# Altium PCB PCB4.PcbDoc (part 2 of 3)
Units mm, origin at the board's own origin, x right, y up, seen from the top; angles counter-clockwise.
Board outline 169 x 84.7 mm, 4 copper layers (Top Layer, GND, POWER, Bottom Layer), stack 1.564 mm thick; 189 components, 194 nets, 860 pads, 455 vias.
Unrouted connection lines stored in the file: 195.
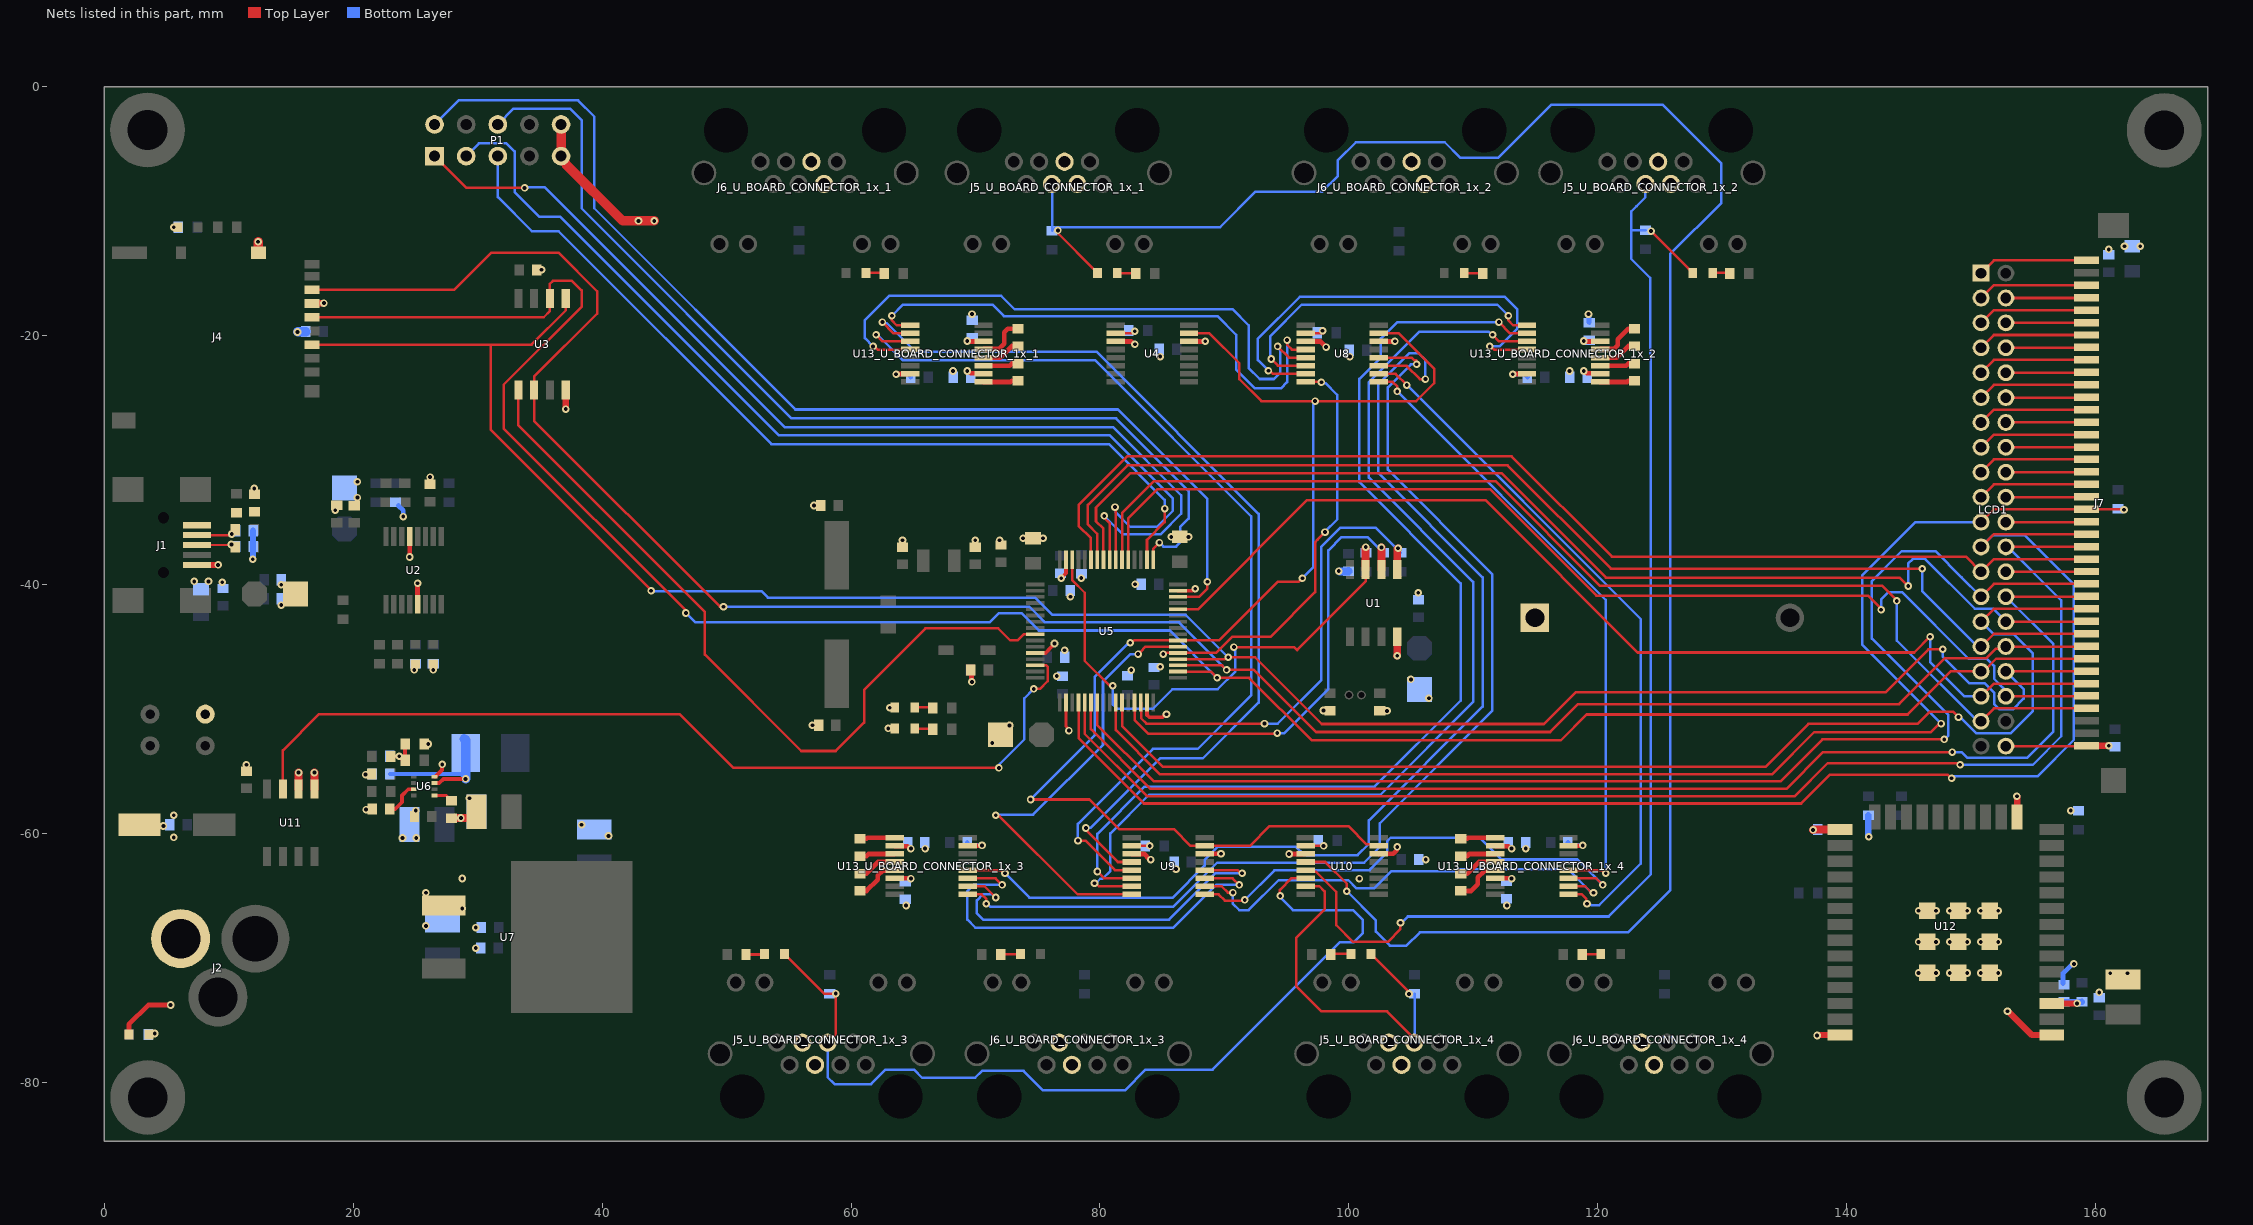
[diagram p4: the nets of this part, all layers, seen from the top]

## Via types
v1: diameter 0.61, hole 0.305, Top Layer to Bottom Layer, tented both sides, 398 vias
v2: diameter 0.61, hole 0.305, Top Layer to Bottom Layer, 57 vias

## Nets (pads, with @x,y where several pads share a name; then routed paths per layer and width w, separated by ;. In a path a pad name is that pad's centre, name@x,y a point inside that pad or via, vN(x,y) a via of type N, cw(c..) or ccw(c..) an arc to the next point about the centre after c; other vN are vias at no path point) (continued)
BOARD_S2: U4.15 U5.39 U8.15 U9.15 U10.15 | length 107.5
  Top Layer w0.203: v1(74.422,-57.26) 79.156,-57.26 81.531,-59.634 85.94,-59.634 87.286,-60.98 U9.15@88.426,-60.98 92.038,-60.98 93.629,-59.389 99.958,-59.389 101.425,-60.857 102.273,-60.857 U10.15@102.396,-60.98 ; v1(82.435,-44.671) 82.545,-44.671 82.735,-44.481 U5.39@86.265,-44.481 89.562,-44.481 94.266,-39.777 95.944,-39.777 96.241,-39.48 v1(96.266,-39.48) ; U4.15@87.156,-19.81 88.788,-19.81 91.186,-22.208 91.186,-23.478 92.964,-25.256 v1(97.282,-25.256) 105.41,-25.256 106.85,-23.816 106.85,-22.643 104.017,-19.81 U8.15@102.396,-19.81
  Bottom Layer w0.203: v1(74.422,-57.26) 79.568,-52.114 79.568,-47.408 82.142,-44.834 82.162,-44.834 82.325,-44.671 v1(82.435,-44.671) ; v1(96.266,-39.48) 97.13,-38.616 97.13,-25.518 97.282,-25.366 v1(97.282,-25.256)
BOARD_SENSE1: D7_U_BOARD_CONNECTOR_1x_1.2 J5_U_BOARD_CONNECTOR_1x_1.4 R28_U_BOARD_CONNECTOR_1x_1.2 U10.4 | length 164.8
  Top Layer w0.203: 76.694,-11.847 79.495,-14.647 79.545,-14.647 79.793,-14.895 D7_U_BOARD_CONNECTOR_1x_1.2@79.793,-14.945 ; U10.4@96.52,-62.28 98.092,-62.28 99.822,-64.01 v1(99.822,-64.626)
  Bottom Layer w0.203: J5_U_BOARD_CONNECTOR_1x_1.4@76.135,-7.805 76.148,-7.818 R28_U_BOARD_CONNECTOR_1x_1.2@76.148,-11.565 76.427,-11.286 76.598,-11.286 76.61,-11.274 89.662,-11.274 92.505,-8.43 97.852,-8.43 99.112,-7.17 99.112,-5.9 100.553,-4.459 107.696,-4.459 108.935,-5.698 112.014,-5.698 116.284,-1.428 125.188,-1.428 129.915,-6.155 129.915,-9.336 125.803,-13.447 125.803,-64.553 122.428,-67.928 105.695,-67.928 104.623,-69 103.285,-69 102.162,-67.878 102.162,-66.966 v1(99.822,-64.626)
  other v1: 76.617,-11.537
BOARD_SENSE2: D7_U_BOARD_CONNECTOR_1x_2.2 J5_U_BOARD_CONNECTOR_1x_2.4 R28_U_BOARD_CONNECTOR_1x_2.2 U10.5 | length 96.7
  Top Layer w0.203: U10.5@96.52,-62.93 96.643,-63.053 97.253,-63.053 97.275,-63.076 97.373,-63.076 98.981,-64.684 98.981,-67.341 100.33,-68.69 103.124,-68.69 104.14,-67.674 v1(104.14,-67.166) ; v1@124.312,-11.597 124.312,-11.638 127.321,-14.647 127.371,-14.647 127.619,-14.895 D7_U_BOARD_CONNECTOR_1x_2.2@127.619,-14.945
  Bottom Layer w0.203: v1(104.14,-67.166) 104.224,-67.166 104.732,-66.658 120.87,-66.658 124.249,-63.278 124.249,-21.489 124.206,-21.446 124.206,-15.35 122.682,-13.826 122.682,-11.54 ; J5_U_BOARD_CONNECTOR_1x_2.4@123.823,-7.805 123.823,-8.875 123.101,-9.597 122.682,-10.016 122.682,-11.54 ; R28_U_BOARD_CONNECTOR_1x_2.2@123.825,-11.54 122.682,-11.54
  other v1: 124.278,-11.597
BOARD_SENSE3: D7_U_BOARD_CONNECTOR_1x_3.2 J5_U_BOARD_CONNECTOR_1x_3.4 R28_U_BOARD_CONNECTOR_1x_3.2 U10.6 | length 74.1
  Top Layer w0.203: D7_U_BOARD_CONNECTOR_1x_3.2@54.648,-69.657 54.648,-69.707 54.896,-69.956 54.946,-69.956 57.841,-72.851 v1(58.774,-72.851) 58.774,-76.146 J5_U_BOARD_CONNECTOR_1x_3.4@58.125,-76.795 ; v1@94.41,-65.085 94.456,-65.039 94.456,-64.519 95.395,-63.58 U10.6@96.52,-63.58
  Bottom Layer w0.203: J5_U_BOARD_CONNECTOR_1x_3.4@58.125,-76.795 58.125,-79.571 58.674,-80.12 61.618,-80.12 62.771,-78.966 65.073,-78.966 65.718,-79.612 69.972,-79.612 70.526,-79.058 73.868,-79.058 75.438,-80.628 82.011,-80.628 83.674,-78.964 89.04,-78.964 99.295,-68.709 100.402,-68.709 101.117,-67.993 101.117,-66.937 100.33,-66.15 95.504,-66.15 94.488,-65.134 v1(94.488,-65.007)
BOARD_SENSE4: D7_U_BOARD_CONNECTOR_1x_4.2 J5_U_BOARD_CONNECTOR_1x_4.4 R28_U_BOARD_CONNECTOR_1x_4.2 U10.7 | length 30.3
  Top Layer w0.203: U10.7@96.52,-64.23 97.626,-64.23 98.044,-64.648 98.044,-66.087 95.758,-68.373 95.758,-72.246 97.79,-74.278 103.065,-74.278 105.241,-76.454 J5_U_BOARD_CONNECTOR_1x_4.4@105.241,-76.795 ; D7_U_BOARD_CONNECTOR_1x_4.2@101.765,-69.657 101.765,-69.707 102.013,-69.956 102.063,-69.956 104.746,-72.638 104.746,-72.797 v1(104.823,-72.874)
  Bottom Layer w0.203: J5_U_BOARD_CONNECTOR_1x_4.4@105.241,-76.795 105.283,-76.753 R28_U_BOARD_CONNECTOR_1x_4.2@105.283,-72.881
CMD_RX1: U8.4 U13_U_BOARD_CONNECTOR_1x_1.9 | length 44.2
  Top Layer w0.203: v1(63.28,-18.398) 63.28,-18.776 63.664,-19.16 U13_U_BOARD_CONNECTOR_1x_1.9@64.77,-19.16 ; v1(95.03,-20.348) 95.03,-20.726 95.414,-21.11 U8.4@96.52,-21.11
  Bottom Layer w0.203: v1(63.28,-18.398) 64.169,-17.509 71.374,-17.509 72.287,-18.422 89.432,-18.422 90.932,-19.922 90.932,-22.716 92.452,-24.236 94.526,-24.236 95.03,-23.732 v1(95.03,-20.348)
CMD_RX2: U8.5 U13_U_BOARD_CONNECTOR_1x_1.12 | length 49.5
  Top Layer w0.203: v1@61.765,-20.885 61.91,-20.885 62.135,-21.11 U13_U_BOARD_CONNECTOR_1x_1.12@64.77,-21.11 ; v1(94.268,-20.856) 95.172,-21.76 U8.5@96.52,-21.76
  Bottom Layer w0.203: v1(61.777,-20.862) 61.111,-20.197 61.111,-18.755 63.061,-16.805 72.067,-16.805 73.152,-17.89 90.678,-17.89 91.948,-19.16 91.948,-22.593 92.833,-23.478 93.98,-23.478 94.488,-22.97 94.488,-21.178 94.268,-20.958 v1(94.268,-20.856)
CMD_RX3: U8.6 U13_U_BOARD_CONNECTOR_1x_2.9 | length 27.4
  Top Layer w0.203: v1(93.76,-21.872) 94.288,-22.4 U8.6@96.51,-22.4 ; v1(112.81,-18.398) 112.81,-18.776 113.194,-19.16 U13_U_BOARD_CONNECTOR_1x_2.9@114.3,-19.16
  Bottom Layer w0.203: v1(93.76,-21.872) 93.684,-21.796 93.684,-20.029 96.209,-17.504 111.916,-17.504 v1(112.81,-18.398)
CMD_RX4: U8.7 U13_U_BOARD_CONNECTOR_1x_2.12 | length 36.1
  Top Layer w0.203: v1@93.515,-22.835 93.66,-22.835 93.885,-23.06 U8.7@96.52,-23.06 ; v1@111.295,-20.885 111.44,-20.885 111.665,-21.11 U13_U_BOARD_CONNECTOR_1x_2.12@114.3,-21.11
  Bottom Layer w0.203: v1(93.527,-22.812) 93.527,-22.799 92.692,-21.964 92.692,-20.23 96.048,-16.874 112.522,-16.874 113.538,-17.89 113.538,-19.414 112.09,-20.862 v1(111.307,-20.862)
CMD_RX5: U8.12 U13_U_BOARD_CONNECTOR_1x_3.9 | length 86
  Top Layer w0.203: U13_U_BOARD_CONNECTOR_1x_3.9@69.376,-64.88 70.482,-64.88 70.866,-65.264 v1(70.866,-65.642) ; U8.12@102.396,-21.76 105.031,-21.76 105.256,-21.985 105.401,-21.985
  Bottom Layer w0.203: v1(70.866,-65.642) 70.952,-65.642 71.188,-65.879 85.879,-65.879 89.418,-62.34 101.215,-62.34 102.474,-61.081 102.474,-59.178 111.506,-50.146 111.506,-39.145 103.124,-30.763 103.124,-24.154 104.982,-22.296 105.432,-22.296 v1(105.435,-22.293)
CMD_RX6: U8.11 U13_U_BOARD_CONNECTOR_1x_3.12 | length 90.6
  Top Layer w0.203: U13_U_BOARD_CONNECTOR_1x_3.12@69.376,-62.93 72.011,-62.93 v1@72.236,-63.155 ; U8.11@102.396,-22.41 102.406,-22.42 104.628,-22.42 105.693,-23.485 v1(106.14,-23.485)
  Bottom Layer w0.203: v1(72.369,-63.178) 74.325,-65.134 85.852,-65.134 88.41,-62.576 88.41,-62.106 89.48,-61.036 95.724,-61.036 96.413,-61.725 100.691,-61.725 101.6,-60.816 101.6,-58.939 110.744,-49.795 110.744,-39.416 102.362,-31.034 102.362,-23.891 104.829,-21.424 105.61,-21.424 106.14,-21.954 v1(106.14,-23.485)
CMD_RX7: U8.10 U13_U_BOARD_CONNECTOR_1x_4.9 | length 56.6
  Top Layer w0.203: U8.10@102.396,-23.06 103.744,-23.06 v1(104.648,-23.964) ; U13_U_BOARD_CONNECTOR_1x_4.9@117.636,-64.88 118.714,-64.88 119.073,-65.239 119.073,-65.589 v1(119.126,-65.642)
  Bottom Layer w0.203: v1(104.648,-23.964) 123.444,-42.76 123.444,-62.404 120.095,-65.753 119.448,-65.753 119.415,-65.72 119.204,-65.72 v1(119.126,-65.642)
CMD_RX8: U8.9 U13_U_BOARD_CONNECTOR_1x_4.12 | length 50.8
  Top Layer w0.203: U8.9@102.396,-23.71 103.502,-23.71 103.886,-24.094 v1(103.886,-24.472) ; U13_U_BOARD_CONNECTOR_1x_4.12@117.636,-62.93 120.271,-62.93 120.496,-63.155 v1@120.641,-63.155
  Bottom Layer w0.203: v1(103.886,-24.472) 120.629,-41.215 v1(120.629,-63.178)
CMD_RXX: U5.37 U8.8 | length 33.4
  Top Layer w0.203: v1@85.294,-45.477 85.299,-45.481 U5.37@86.265,-45.481 89.33,-45.481 90.62,-44.19 93.687,-44.19 97.282,-40.595 97.282,-36.595 97.491,-36.387 97.491,-36.359 v1(98.076,-35.773) ; U8.8@96.52,-23.71 v1@97.602,-23.71
  Bottom Layer w0.203: v1(97.79,-23.732) 97.868,-23.81 98.122,-23.81 99.06,-24.748 99.06,-34.758 98.076,-35.742 v1(98.076,-35.773)
  other v1: 85.09,-45.576
CMD_TX1: U9.4 U13_U_BOARD_CONNECTOR_1x_1.10 | length 77.6
  Top Layer w0.203: v1(62.518,-18.906) 63.422,-19.81 U13_U_BOARD_CONNECTOR_1x_1.10@64.77,-19.81 ; v1(78.867,-59.546) 78.71,-59.546 81.444,-62.28 U9.4@82.55,-62.28
  Bottom Layer w0.203: v1(62.518,-18.906) 62.596,-18.984 62.871,-18.984 65.158,-21.271 79.708,-21.271 92.751,-34.314 92.751,-49.467 88.258,-53.96 84.834,-53.96 79.248,-59.546 v1(78.867,-59.546)
CMD_TX2: U9.5 U13_U_BOARD_CONNECTOR_1x_1.11 | length 78.4
  Top Layer w0.203: v1(62.01,-19.922) 62.538,-20.45 64.76,-20.45 U13_U_BOARD_CONNECTOR_1x_1.11@64.77,-20.46 ; v1(78.232,-60.562) 78.834,-60.562 81.202,-62.93 U9.5@82.55,-62.93
  Bottom Layer w0.203: v1(62.01,-19.922) 62.117,-19.922 64.149,-21.954 79.597,-21.954 92.148,-34.505 92.148,-48.901 87.853,-53.196 84.252,-53.196 78.232,-59.216 v1(78.232,-60.562)
CMD_TX3: U9.6 U13_U_BOARD_CONNECTOR_1x_2.10 | length 85.4
  Top Layer w0.203: v1(79.79,-63.042) 80.318,-63.57 82.54,-63.57 U9.6@82.55,-63.58 ; v1(112.048,-18.906) 112.952,-19.81 U13_U_BOARD_CONNECTOR_1x_2.10@114.3,-19.81
  Bottom Layer w0.203: v1(79.79,-63.042) 79.79,-60.02 83.582,-56.228 102.066,-56.228 108.966,-49.328 108.966,-39.89 100.838,-31.762 100.838,-23.478 102.573,-21.743 102.573,-20.219 103.886,-18.906 106.241,-18.906 108.204,-18.906 v1(112.048,-18.906)
CMD_TX4: U9.7 U13_U_BOARD_CONNECTOR_1x_2.11 | length 85.2
  Top Layer w0.203: v1@79.545,-64.005 79.69,-64.005 79.915,-64.23 U9.7@82.55,-64.23 ; v1(111.54,-19.922) 112.068,-20.45 114.29,-20.45 U13_U_BOARD_CONNECTOR_1x_2.11@114.3,-20.46
  Bottom Layer w0.203: v1(79.557,-63.982) 79.667,-63.982 80.023,-63.626 80.2,-63.626 80.835,-62.991 80.835,-59.991 83.947,-56.879 102.52,-56.879 109.982,-49.417 109.982,-39.772 101.6,-31.39 101.6,-23.732 105.664,-19.668 111.218,-19.668 111.472,-19.922 v1(111.54,-19.922)
CMD_TX5: U9.12 U13_U_BOARD_CONNECTOR_1x_3.10 | length 31.7
  Top Layer w0.203: U13_U_BOARD_CONNECTOR_1x_3.10@69.376,-64.23 70.724,-64.23 v1(71.628,-65.134) ; U9.12@88.426,-62.93 91.061,-62.93 91.286,-63.155 v1@91.431,-63.155
  Bottom Layer w0.203: v1(71.628,-65.134) 71.581,-65.134 71.306,-64.859 70.614,-64.859 70.104,-65.37 70.104,-66.404 70.612,-66.912 85.553,-66.912 89.287,-63.178 v1(91.419,-63.178)
CMD_TX6: U9.11 U13_U_BOARD_CONNECTOR_1x_3.11 | length 34.8
  Top Layer w0.203: U13_U_BOARD_CONNECTOR_1x_3.11@69.376,-63.58 69.386,-63.59 71.608,-63.59 v1(72.136,-64.118) ; U9.11@88.426,-63.58 88.436,-63.59 90.658,-63.59 v1(91.186,-64.118)
  Bottom Layer w0.203: v1(72.136,-64.118) 69.85,-64.118 69.342,-64.626 69.342,-66.912 69.981,-67.551 85.902,-67.551 89.335,-64.118 v1(91.186,-64.118)
CMD_TX7: U9.10 U13_U_BOARD_CONNECTOR_1x_4.10 | length 37.5
  Top Layer w0.203: U9.10@88.426,-64.23 89.774,-64.23 90.284,-64.74 v1(90.678,-64.74) ; U13_U_BOARD_CONNECTOR_1x_4.10@117.636,-64.23 118.984,-64.23 119.507,-64.753 v1(119.651,-64.753)
  Bottom Layer w0.203: v1(90.678,-64.74) 90.678,-65.642 91.186,-66.15 91.948,-66.15 94.354,-63.744 99.956,-63.744 100.583,-64.371 102.044,-64.371 103.39,-63.026 108.534,-63.026 108.712,-62.848 117.602,-62.848 119.507,-64.753 v1(119.651,-64.753)
CMD_TX8: U9.9 U13_U_BOARD_CONNECTOR_1x_4.11 | length 39.4
  Top Layer w0.203: U9.9@88.426,-64.88 89.532,-64.88 90.04,-65.388 91.566,-65.388 v1(91.63,-65.324) ; U13_U_BOARD_CONNECTOR_1x_4.11@117.636,-63.58 117.646,-63.59 119.868,-63.59 v1(120.396,-64.118)
  Bottom Layer w0.203: v1@91.566,-65.388 v1(91.63,-65.324) 94.008,-62.946 100.486,-62.946 100.503,-62.929 101.655,-62.929 103.062,-61.523 103.062,-60.624 103.361,-60.325 110.507,-60.325 112.26,-62.078 118.356,-62.078 v1(120.396,-64.118)
CMD_TXX: U5.38 U9.8 | length 36.5
  Top Layer w0.203: v1(71.628,-58.53) 71.706,-58.608 71.943,-58.608 78.215,-64.88 U9.8@82.55,-64.88 ; v1@83.241,-45.41 83.671,-44.981 U5.38@86.265,-44.981
  Bottom Layer w0.203: v1(71.628,-58.53) 71.679,-58.479 74.629,-58.479 80.243,-52.866 80.243,-47.776 82.442,-45.576 v1(83.058,-45.576)
CURRENT_SENSE: U5.14 U11.7 | length 74.7
  Top Layer w0.203: U11.7@14.351,-56.408 14.351,-53.323 17.272,-50.402 46.228,-50.402 50.546,-54.72 v1(71.882,-54.72) ; v1(74.676,-48.37) 75.182,-48.37 75.806,-47.747 75.806,-46.6 75.694,-46.488 74.796,-46.488 U5.14@74.789,-46.481
  Bottom Layer w0.203: v1(71.882,-54.72) 71.96,-54.642 71.96,-54.388 73.914,-52.434 73.914,-49.132 v1(74.676,-48.37)
FLASH_CS: U3.1 U5.9 | length 63.4
  Top Layer w0.203: U3.1@33.274,-24.359 33.274,-27.202 48.26,-42.188 48.26,-45.624 55.999,-53.363 58.761,-53.363 61.046,-51.078 61.046,-48.447 65.975,-43.518 71.827,-43.518 72.789,-44.479 73.388,-44.479 73.869,-43.999 74.771,-43.999 U5.9@74.789,-43.981
FLASH_MISO: J4.7 J7.32 LCD1.32 U3.2 U5.35 | length 179.9
  Top Layer w0.203: J4.7@16.681,-16.318 28.115,-16.318 31.115,-13.318 36.491,-13.318 39.614,-16.441 39.614,-18.221 34.544,-23.291 U3.2@34.544,-24.359 34.544,-26.836 49.474,-41.766 v1(49.756,-41.766) ; U5.35@86.265,-46.481 89.805,-46.481 v1(90.17,-46.846) 92.371,-46.846 97.362,-51.837 116.167,-51.837 118.41,-49.594 144.191,-49.594 147.862,-45.923 151.176,-45.923 151.966,-45.133 152.617,-45.133 LCD1.32@152.781,-44.969 J7.32@159.231,-44.969
  Bottom Layer w0.203: v1(49.756,-41.766) 74.316,-41.766 75.583,-43.033 86.357,-43.033 v1(90.17,-46.846)
FLASH_MOSI: J4.3 J7.34 LCD1.34 U3.5 U5.36 | length 181.4
  Top Layer w0.203: J4.3@16.681,-20.718 31.047,-20.718 ; U3.5@37.084,-17.009 37.079,-17.014 37.079,-17.97 34.331,-20.718 31.047,-20.718 ; v1(43.942,-40.496) 43.942,-40.42 31.047,-27.525 31.047,-20.718 ; U5.36@86.265,-45.981 90.036,-45.981 90.187,-45.83 v1(90.297,-45.83) 92.453,-45.83 97.815,-51.193 115.668,-51.193 118.237,-48.624 143.129,-48.624 146.558,-45.195 v1(147.701,-45.195) ; LCD1.34@152.748,-46.969 LCD1.34@152.781,-46.969 J7.34@159.231,-46.969
  Bottom Layer w0.203: v1@43.942,-40.543 52.832,-40.543 53.321,-41.032 74.778,-41.032 76.169,-42.423 86.89,-42.423 v1(90.297,-45.83) ; v1(147.701,-45.195) 147.701,-45.777 149.848,-47.923 151.085,-47.923 151.827,-48.665 151.827,-49.576 152.265,-50.015 153.337,-50.015 154.205,-49.147 154.205,-48.393 LCD1.34@152.781,-46.969
FLASH_NCS: J7.37 LCD1.37 U5.54 | length 92.6
  Top Layer w0.203: U5.54@81.777,-37.993 81.777,-34.24 84.344,-31.673 111.757,-31.673 120.176,-40.091 142.851,-40.091 144.018,-41.258 v1(144.018,-41.307) ; LCD1.37@150.781,-50.969 151.808,-49.942 J7.37@159.258,-49.942
  Bottom Layer w0.203: v1(144.018,-41.307) 144.018,-44.504 150.483,-50.969 LCD1.37@150.781,-50.969
FLASH_SCK: J4.5 J7.33 LCD1.33 U3.6 U5.34 | length 182.5
  Top Layer w0.203: J4.5@16.681,-18.518 35.313,-18.518 35.814,-18.017 U3.6@35.814,-17.009 35.814,-15.825 36.052,-15.588 37.576,-15.588 38.354,-16.366 38.354,-17.683 32.097,-23.94 32.097,-27.437 46.736,-42.076 v1(46.736,-42.274) ; U5.34@86.265,-46.981 88.908,-46.981 v1(89.408,-47.481) 91.988,-47.481 97.019,-52.512 117.016,-52.512 119.098,-50.43 144.879,-50.43 148.34,-46.969 150.977,-46.969 152.004,-45.942 J7.33@159.258,-45.942
  Bottom Layer w0.203: v1(46.736,-42.274) 47.498,-43.036 71.136,-43.036 71.882,-42.29 73.692,-42.29 75.084,-43.682 85.609,-43.682 v1(89.408,-47.481)
FONT_NCS: J7.36 LCD1.36 U5.53 | length 90.7
  Top Layer w0.203: U5.53@82.277,-37.993 82.277,-34.658 84.611,-32.323 111.332,-32.323 119.885,-40.876 141.698,-40.876 v1@142.816,-41.994 ; LCD1.36@152.781,-48.969 J7.36@159.231,-48.969
  Bottom Layer w0.203: v1(142.748,-42.02) 142.748,-41.194 143.319,-40.623 144.457,-40.623 149.791,-45.957 151.257,-45.957 151.827,-46.527 151.827,-47.56 152.562,-48.295 152.562,-48.75 LCD1.36@152.781,-48.969
GND: C1.2 C2.2 C3.2 C4.1 C5.2 C6.1 C7.1 C8.2 C9.2 C10.1 C11.2 C12.2 C13.2 C14.1 C15.2 C16.2 C17.2 C18.2 C19.2 C20.2 C21.2 C22.2 C23.2 C24.2 C26.1 C27.1 C28.1 C29.2 C30.1 C31.2 C32.2 C33.1 C34.1 C35.2 C36.2 C37.1 C39_U_BOARD_CONNECTOR_1x_1.1 C39_U_BOARD_CONNECTOR_1x_2.1 C39_U_BOARD_CONNECTOR_1x_3.1 C39_U_BOARD_CONNECTOR_1x_4.1 C40.2 C41.2 C42.1 C43.1 C44.2 C45_U_BOARD_CONNECTOR_1x_1.1 C45_U_BOARD_CONNECTOR_1x_2.1 C45_U_BOARD_CONNECTOR_1x_3.1 C45_U_BOARD_CONNECTOR_1x_4.1 C46_U_BOARD_CONNECTOR_1x_1.1 C46_U_BOARD_CONNECTOR_1x_2.1 C46_U_BOARD_CONNECTOR_1x_3.1 C46_U_BOARD_CONNECTOR_1x_4.1 C48.1 C49.2 C50.1 C51.2 C52.2 C53.2 C54.1 C55.2 C56.2 C63.1 C73.1 C74.1 C75.1 C85.1 C86.1 D5.2 D6.2 D10.2 J1.5 J2.2 J3.1 J4.6 J4.MP3 J5_U_BOARD_CONNECTOR_1x_1.5 J5_U_BOARD_CONNECTOR_1x_1.6 J5_U_BOARD_CONNECTOR_1x_2.5 J5_U_BOARD_CONNECTOR_1x_2.6 J5_U_BOARD_CONNECTOR_1x_3.5 J5_U_BOARD_CONNECTOR_1x_3.6 J5_U_BOARD_CONNECTOR_1x_4.5 J5_U_BOARD_CONNECTOR_1x_4.6 J6_U_BOARD_CONNECTOR_1x_1.5 J6_U_BOARD_CONNECTOR_1x_1.6 J6_U_BOARD_CONNECTOR_1x_2.5 J6_U_BOARD_CONNECTOR_1x_2.6 J6_U_BOARD_CONNECTOR_1x_3.5 J6_U_BOARD_CONNECTOR_1x_3.6 J6_U_BOARD_CONNECTOR_1x_4.5 J6_U_BOARD_CONNECTOR_1x_4.6 J7.1 J7.40 LCD1.1 LCD1.40 P1.9 P1.10 P2.2 R7.2 R8.2 R21.2 R22.2 R25.2 R26.2 R45.2 U1.4 U2.5 U2.13 U3.4 U4.3 U4.14 U5.12 U5.18 U5.31 U5.47 U5.63 U6.4 U7.1 U8.3 U8.14 U9.3 U9.14 U10.3 U10.14 U11.5 U11.6 U12.1 U12.15 U12.38 U12.39 U12.40 U12.41 U12.42 U12.43 U12.44 U12.45 U12.46 U12.47 U13_U_BOARD_CONNECTOR_1x_1.15 U13_U_BOARD_CONNECTOR_1x_2.15 U13_U_BOARD_CONNECTOR_1x_3.15 U13_U_BOARD_CONNECTOR_1x_4.15 | length 100.5
  Top Layer w0.203: LCD1.1@150.781,-14.969 151.808,-13.942 J7.1@159.258,-13.942 ; LCD1.40@152.781,-52.969 159.231,-52.969 J7.40@159.258,-52.942
  Top Layer w0.254: U5.18@77.277,-49.469 77.277,-51.399 77.504,-51.626 v1(77.504,-51.722)
  Top Layer w0.305: U6.4@26.545,-55.435 26.628,-55.435 26.63,-55.433 26.63,-55.402 27.145,-54.887 27.145,-54.455 v1(27.163,-54.437) ; U5.12@74.789,-45.481 75.643,-45.481 75.856,-45.268 75.856,-45.229 v1@76.321,-44.765 ; v1(76.886,-39.48) 77.277,-39.089 U5.63@77.277,-37.993 ; U5.31@83.777,-49.469 83.777,-50.471 83.955,-50.649 85.014,-50.649 85.262,-50.402 v1(85.344,-50.402) ; U5.47@86.265,-40.481 87.405,-40.481 87.506,-40.38 87.512,-40.38 v1@87.59,-40.458
  Top Layer w0.381: D10.2@1.994,-76.125 1.994,-75.332 3.556,-73.77 v1(5.334,-73.77) ; v2(24.538,-37.774) 24.544,-37.769 U2.13@24.544,-36.149 ; U2.5@25.18,-41.573 v2(25.179,-39.879) ; v1(63.623,-23.091) 63.638,-23.075 64.755,-23.075 U13_U_BOARD_CONNECTOR_1x_1.15@64.77,-23.06 ; U13_U_BOARD_CONNECTOR_1x_3.15@69.376,-60.98 69.391,-60.965 70.508,-60.965 v1(70.523,-60.949) ; C12.2@69.621,-46.865 69.679,-46.923 69.679,-47.709 v1@69.71,-47.709 ; U4.3@81.28,-20.46 82.518,-20.46 82.742,-20.684 v1(82.804,-20.684) ; U9.3@82.55,-61.63 82.551,-61.631 83.557,-61.631 83.968,-62.042 84.03,-62.042 v1(84.074,-62.086) ; U4.14@87.156,-20.46 87.161,-20.455 88.447,-20.455 v1(88.452,-20.45) ; U9.14@88.426,-61.63 88.431,-61.625 89.717,-61.625 v1(89.722,-61.62) ; v1(95.192,-61.637) 95.196,-61.633 96.517,-61.633 U10.3@96.52,-61.63 ; U8.3@96.52,-20.46 97.711,-20.46 v1(98.162,-20.911) ; U10.14@102.396,-61.63 102.401,-61.625 103.557,-61.625 103.842,-61.34 103.842,-61.114 v1(103.886,-61.07) ; U8.14@102.396,-20.46 102.401,-20.455 103.687,-20.455 v1(103.692,-20.45) ; v1(113.153,-23.091) 113.168,-23.075 114.285,-23.075 U13_U_BOARD_CONNECTOR_1x_2.15@114.3,-23.06 ; U13_U_BOARD_CONNECTOR_1x_4.15@117.636,-60.98 117.651,-60.965 118.768,-60.965 v1(118.783,-60.949)
  Top Layer w0.508: J1.5@7.45,-38.418 9.14,-38.418 v2@9.145,-38.413 ; J4.6@16.681,-17.418 16.699,-17.4 17.635,-17.4 v1(17.653,-17.382) ; v1(37.084,-25.891) U3.4@37.084,-24.359 ; v1(137.607,-76.218) 137.635,-76.218 137.67,-76.183 U12.38@139.464,-76.183 ; v1(152.908,-74.278) 152.927,-74.297 152.99,-74.297 154.875,-76.183 U12.1@156.464,-76.183 ; v1(153.666,-56.997) 153.679,-57.01 U12.15@153.679,-58.673 ; J7.40@159.258,-52.942 v2(161.036,-52.942)
  Top Layer w0.635: U11.6@15.621,-56.408 v1(15.621,-55.101) ; U11.5@16.891,-56.408 v1(16.891,-55.101) ; C28.1@27.906,-58.748 29.425,-58.748 29.908,-58.265 C75.1@29.908,-58.25 ; v1(103.875,-45.712) 103.883,-45.704 U1.4@103.883,-44.18
  Top Layer w0.762: v1(12.362,-12.449) 12.362,-13.299 J4.MP3@12.381,-13.318 ; P1.10@36.703,-3.031 36.703,-5.771 37.072,-6.14 37.072,-6.194 41.656,-10.778 v1(44.196,-10.778)
  Bottom Layer w0.381: R25.2@23.642,-33.642 24.023,-34.023 v2(24.023,-34.531) ; v1(63.623,-23.091) 64.617,-23.091 64.808,-23.281 C39_U_BOARD_CONNECTOR_1x_1.1@64.808,-23.335 ; C39_U_BOARD_CONNECTOR_1x_3.1@69.338,-60.705 69.338,-60.759 69.529,-60.949 v1(70.523,-60.949) ; v1(113.153,-23.091) 114.147,-23.091 114.338,-23.281 C39_U_BOARD_CONNECTOR_1x_2.1@114.338,-23.335 ; C39_U_BOARD_CONNECTOR_1x_4.1@117.598,-60.705 117.598,-60.759 117.789,-60.949 v1(118.783,-60.949) ; v1(119.249,-18.265) 119.281,-18.297 119.281,-18.918 C45_U_BOARD_CONNECTOR_1x_2.1@119.313,-18.95 ; C31.2@157.37,-72.054 157.37,-71.236 158.094,-70.512 158.198,-70.512 v1(158.242,-70.468)
  Bottom Layer w0.508: v1(11.938,-37.956) 11.938,-37.929 11.961,-37.906 C50.1@11.961,-35.674 ; R26.2@141.732,-58.53 141.732,-60.201 141.743,-60.212 v1@141.743,-60.236
  Bottom Layer w0.635: v1@99.293,-38.936 99.951,-38.936 C1.2@99.975,-38.912
  Bottom Layer w0.762: v1(15.534,-19.699) 16.191,-19.699 C6.1@16.191,-19.668
  other v1: 160.274,-72.754 161.168,-71.221 145.766,-71.197 147.166,-71.197 148.266,-71.197 149.666,-71.197 150.766,-71.197 152.166,-71.197 162.536,-71.213 29.845,-69.198 145.766,-68.697 147.166,-68.697 148.266,-68.697 149.666,-68.697 150.766,-68.697 152.166,-68.697 29.845,-67.547 25.849,-67.414 145.766,-66.197 147.166,-66.197 148.266,-66.197 149.666,-66.197 150.766,-66.197 152.166,-66.197 28.77,-66.017 64.427,-65.775 112.687,-65.775 25.849,-64.747 28.77,-63.604 100.838,-63.61 86.106,-62.848 106.172,-62.086 65.951,-61.203 114.211,-61.203 23.967,-60.35 25.064,-60.35 5.588,-60.308 141.762,-60.259 40.513,-60.181 4.756,-59.387 38.354,-59.292 28.658,-58.748 5.588,-58.53 25.026,-58.148 157.988,-58.149 21.046,-58.069 29.339,-57.152 11.43,-54.466 26.04,-52.8 71.337,-52.711 62.992,-51.545 72.734,-51.314 56.896,-51.291 103.059,-50.137 97.946,-50.11 63.119,-49.894 106.426,-49.132 69.712,-47.815 104.975,-47.612 76.519,-47.341 82.505,-46.866 84.836,-46.592 77.155,-45.273 76.35,-44.726 77.621,-40.965 105.567,-40.656 87.647,-40.322 82.821,-39.965 78.499,-39.47 99.175,-38.912 64.135,-36.432 69.977,-36.432 73.821,-36.265 75.421,-36.265 85.721,-36.165 87.121,-36.165 57.023,-33.638 68.195,-22.837 117.725,-22.837 84.836,-21.678 100.076,-21.678 69.719,-18.265 35.144,-14.7 161.036,-13.064 162.306,-12.81 163.576,-12.81 42.926,-10.778
  other v2: 14.224,-41.639 14.231,-40 9.493,-39.807 7.239,-39.734 8.382,-39.734 9.153,-38.413 71.933,-36.432 18.562,-34.023 20.34,-33.007 12.058,-32.274 20.34,-31.737 26.182,-31.356
I2C2_SCL: R3.1 U1.6 U5.29 | length 37.3
  Top Layer w0.203: U5.29@82.777,-49.469 82.78,-49.472 82.78,-50.859 83.908,-51.987 94.173,-51.987 v1(94.234,-51.926)
  Top Layer w0.635: U1.6@102.613,-38.78 v1@102.613,-37.004
  Bottom Layer w0.203: v1(94.234,-51.926) 94.815,-51.926 98.347,-48.394 98.347,-37.243 99.411,-36.178 101.503,-36.178 102.432,-37.107 102.432,-37.171 102.712,-37.45 R3.1@102.775,-37.45
  other v1: 102.61,-37.004
I2C2_SDA: R2.1 U1.5 U5.30 | length 37.7
  Top Layer w0.203: U5.30@83.277,-49.469 83.299,-49.492 83.299,-50.732 83.731,-51.164 v1(93.218,-51.164)
  Top Layer w0.635: U1.5@103.883,-38.78 103.883,-37.14 v1(103.951,-37.072)
  Bottom Layer w0.203: v1(93.218,-51.164) 94.282,-51.164 97.79,-47.656 97.79,-36.94 99.314,-35.416 102.141,-35.416 103.896,-37.171 R2.1@104.175,-37.45
JNTRST: P1.1 U5.56 | length 84
  Top Layer w0.203: P1.1@26.543,-5.571 29.101,-8.129 v1(33.779,-8.129) ; v1(80.341,-34.473) 80.341,-34.627 80.777,-35.063 U5.56@80.777,-37.993
  Bottom Layer w0.203: v1(33.779,-8.129) 33.823,-8.085 35.412,-8.085 54.668,-27.341 81.044,-27.341 86.53,-32.827 86.53,-34.3 84.89,-35.939 81.807,-35.939 v1(80.341,-34.473)
JTCK/SWCLK: P1.6 U5.49 | length 80.8
  Top Layer w0.203: U5.49@84.277,-37.993 84.294,-37.976 84.294,-37.098 v1(84.771,-36.621)
  Bottom Layer w0.203: P1.6@31.623,-3.031 32.898,-1.756 37.43,-1.756 38.354,-2.681 38.354,-9.762 55.227,-26.635 81.291,-26.635 87.122,-32.466 87.122,-34.686 86.444,-35.364 86.444,-36.602 86.106,-36.94 85.093,-36.94 84.775,-36.621 v1(84.771,-36.621)
JTDI: P1.5 U5.50 | length 72.3
  Top Layer w0.203: U5.50@83.777,-37.993 83.777,-36.399 85.198,-34.978 v1(85.198,-33.892)
  Bottom Layer w0.203: P1.5@31.623,-5.571 31.623,-8.873 34.357,-11.607 36.509,-11.607 53.608,-28.705 80.708,-28.705 85.198,-33.195 v1(85.198,-33.892)
JTDO: P1.3 U5.55 | length 82.2
  Top Layer w0.203: v1(81.204,-33.765) 81.277,-33.838 U5.55@81.277,-37.993
  Bottom Layer w0.203: P1.3@29.083,-5.571 30.112,-4.542 32.315,-4.542 32.967,-5.194 32.967,-8.439 34.985,-10.457 36.643,-10.457 54.197,-28.011 80.799,-28.011 85.852,-33.064 85.852,-34.064 84.565,-35.352 82.43,-35.352 81.251,-34.173 81.251,-33.813 v1(81.204,-33.765)
JTMS/SWDIO: P1.2 U5.46 | length 90.3
  Top Layer w0.203: U5.46@86.265,-40.981 87.958,-40.981 88.631,-40.308 v1(88.631,-39.762)
  Bottom Layer w0.203: P1.2@26.543,-3.031 28.473,-1.101 38.075,-1.101 39.37,-2.396 39.37,-9.762 55.537,-25.929 81.44,-25.929 88.631,-33.12 v1(88.631,-39.762)
LCD_BL: J7.29 LCD1.29 U5.27 | length 98.7
  Top Layer w0.203: U5.27@81.777,-49.469 81.777,-51.357 85.037,-54.617 133.492,-54.617 136.92,-51.19 145.69,-51.19 146.676,-50.203 148.533,-50.203 v1(148.971,-50.641) ; LCD1.29@150.781,-43.004 LCD1.29@150.781,-42.969 151.808,-41.942 J7.29@159.258,-41.942
  Bottom Layer w0.203: v1(148.971,-50.641) 148.971,-50.509 150.386,-51.923 153.176,-51.923 154.94,-50.16 154.94,-45.519 153.39,-43.969 151.781,-43.969 LCD1.29@150.781,-42.969
LCD_D/C: J7.25 LCD1.25 U5.59 | length 91.7
  Top Layer w0.203: U5.59@79.277,-37.993 79.277,-36.266 78.283,-35.272 78.283,-33.597 82.178,-29.702 113.072,-29.702 121.122,-37.752 149.564,-37.752 LCD1.25@150.781,-38.969 151.808,-37.942 J7.25@159.258,-37.942
LCD_NCS: J7.23 LCD1.23 U5.20 | length 118.2
  Top Layer w0.203: U5.20@78.277,-49.469 78.277,-52.324 83.532,-57.579 136.333,-57.579 138.645,-55.267 148.094,-55.267 148.38,-55.553 v1(148.416,-55.553) ; LCD1.23@150.781,-36.969 151.808,-35.942 J7.23@159.258,-35.942
  Bottom Layer w0.203: v1(148.416,-55.553) 148.526,-55.553 148.685,-55.394 155.308,-55.394 158.242,-52.46 158.242,-39.988 154.269,-36.015 151.735,-36.015 LCD1.23@150.781,-36.969
LCD_RESET_N: J7.21 LCD1.21 R27.1 U5.26 | length 109.3
  Top Layer w0.203: U5.26@81.277,-49.469 81.277,-51.687 84.824,-55.234 133.993,-55.234 137.38,-51.847 146.75,-51.847 147.276,-51.321 147.307,-51.321 147.393,-51.235 v1@147.393,-51.204 ; LCD1.21@150.781,-34.969 151.808,-33.942 J7.21@159.258,-33.942 162.229,-33.942 v1@162.306,-34.019
  Bottom Layer w0.203: v1(147.574,-51.164) 141.224,-44.814 141.224,-39.267 145.522,-34.969 LCD1.21@150.781,-34.969
  other v1: 162.268,-33.98
LCD_SCK: J7.24 LCD1.24 U5.21 | length 108.8
  Top Layer w0.203: U5.21@78.777,-49.469 78.777,-51.994 83.765,-56.983 135.82,-56.983 138.456,-54.347 148.869,-54.347 148.988,-54.466 v1(149.098,-54.466) ; LCD1.24@152.711,-37.039 LCD1.24@152.781,-36.969 J7.24@159.231,-36.969
  Bottom Layer w0.203: v1(149.098,-54.466) 154.94,-54.466 157.226,-52.18 157.226,-41.258 152.937,-36.969 LCD1.24@152.781,-36.969
LCD_SDCARD_CS: J7.35 LCD1.35 U5.44 | length 85.8
  Top Layer w0.203: U5.44@86.265,-41.981 87.876,-41.981 96.647,-33.21 110.955,-33.21 123.194,-45.449 145.415,-45.449 v1(146.685,-44.179) ; LCD1.35@150.781,-48.969 151.808,-47.942 J7.35@159.258,-47.942
  Bottom Layer w0.203: v1(146.685,-44.179) 146.685,-46.208 149.446,-48.969 LCD1.35@150.781,-48.969
LCD_SDI: J7.27 LCD1.27 U5.23 | length 108.7
  Top Layer w0.203: U5.23@79.777,-49.469 79.777,-51.262 84.325,-55.81 134.655,-55.81 138.031,-52.434 v1(147.828,-52.434) ; LCD1.27@150.781,-40.969 151.808,-39.942 J7.27@159.258,-39.942
  Bottom Layer w0.203: v1(147.828,-52.434) 148.158,-52.104 148.158,-50.478 142.011,-44.331 142.011,-39.709 144.411,-37.309 147.121,-37.309 149.225,-39.413 LCD1.27@150.781,-40.969
LCD_SDO: J7.28 LCD1.28 U5.22 | length 102.6
  Top Layer w0.203: U5.22@79.277,-49.469 79.277,-51.61 84.073,-56.407 135.141,-56.407 138.099,-53.449 v1(148.465,-53.449) ; LCD1.28@152.781,-40.969 J7.28@159.231,-40.969
  Bottom Layer w0.203: v1(148.465,-53.449) 149.224,-53.449 149.698,-53.923 154.467,-53.923 156.591,-51.799 156.591,-44.779 LCD1.28@152.781,-40.969
LCD_TOUCH_CS: J7.30 LCD1.30 U5.57 | length 92.9
  Top Layer w0.203: U5.57@80.277,-37.993 80.277,-35.505 79.68,-34.908 79.68,-33.818 82.452,-31.046 112.265,-31.046 120.647,-39.427 144.219,-39.427 v1@144.907,-40.115 ; LCD1.30@152.781,-42.969 J7.30@159.231,-42.969
  Bottom Layer w0.203: v1(144.93,-40.104) 144.93,-38.314 145.316,-37.928 146.28,-37.928 150.275,-41.923 151.735,-41.923 LCD1.30@152.781,-42.969
LCD_TOUCH_INTR: J7.31 LCD1.31 U5.58 | length 94.1
  Top Layer w0.203: U5.58@79.777,-37.993 79.777,-35.912 79.027,-35.162 79.027,-33.59 82.199,-30.418 112.743,-30.418 121.043,-38.718 v1(146.05,-38.718) ; LCD1.31@150.471,-44.969 LCD1.31@150.781,-44.969 151.808,-43.942 J7.31@159.258,-43.942
  Bottom Layer w0.203: v1(146.05,-38.718) 146.05,-40.519 150.5,-44.969 LCD1.31@150.781,-44.969
MFP: R1.1 U1.7 U5.62 | length 42.1
  Top Layer w0.203: U5.62@77.777,-37.993 77.777,-39.648 78.778,-40.649 78.778,-46.122 80.772,-48.116 v1(81.026,-48.116) ; v1(90.762,-45.017) 95.597,-45.017 95.83,-45.25 101.343,-39.737 U1.7@101.343,-38.78
  Top Layer w0.635: U1.7@101.343,-38.78 v1@101.343,-37.043
  Bottom Layer w0.203: v1(81.026,-48.116) 81.026,-49.64 81.368,-49.982 84.24,-49.982 85.82,-48.402 89.44,-48.402 90.881,-46.961 90.881,-45.339 90.839,-45.297 v1@90.839,-45.059 ; v1(90.762,-45.017) v1@90.839,-45.017 ; v1(101.349,-36.981) v1@101.369,-36.981
NetC25_1: C25.1 L6.1 U6.3 | length 12
  Top Layer w0.305: U6.3@26.545,-55.935 26.926,-55.935 27.261,-55.6 v1(29.034,-55.6)
  Bottom Layer w0.305: C25.1@22.947,-55.209 28.643,-55.209 v1@28.925,-55.492
  Bottom Layer w0.762: L6.1@28.925,-52.365 29.034,-52.473 v1(29.034,-55.6)
NetC25_2: C25.2 R53.2
  other v1: 21,-55.26
NetC28_2: C28.2 U6.1 | length 1.5
  Top Layer w0.254: U6.1@26.545,-56.935 27.494,-56.935 C28.2@27.906,-57.348
NetC31_1: C31.1 R14.2 U12.3 | length 3.5
  Top Layer w0.508: U12.3@156.464,-73.643 v1(158.496,-73.643)
  Bottom Layer w0.508: C31.1@157.438,-73.526 158.867,-73.526 R14.2@158.877,-73.516
NetC38_U_BOARD_CONNECTOR_1x_1_1: C38_U_BOARD_CONNECTOR_1x_1.1 U13_U_BOARD_CONNECTOR_1x_1.3 | length 2.3
  Top Layer w0.381: U13_U_BOARD_CONNECTOR_1x_1.3@70.646,-22.41 72.733,-22.41 72.908,-22.235
NetC38_U_BOARD_CONNECTOR_1x_1_2: C38_U_BOARD_CONNECTOR_1x_1.2 U13_U_BOARD_CONNECTOR_1x_1.1 | length 2.3
  Top Layer w0.381: U13_U_BOARD_CONNECTOR_1x_1.1@70.646,-23.71 72.833,-23.71 72.908,-23.635
NetC38_U_BOARD_CONNECTOR_1x_2_1: C38_U_BOARD_CONNECTOR_1x_2.1 U13_U_BOARD_CONNECTOR_1x_2.3 | length 2.3
  Top Layer w0.381: U13_U_BOARD_CONNECTOR_1x_2.3@120.176,-22.41 122.263,-22.41 122.438,-22.235
NetC38_U_BOARD_CONNECTOR_1x_2_2: C38_U_BOARD_CONNECTOR_1x_2.2 U13_U_BOARD_CONNECTOR_1x_2.1 | length 2.3
  Top Layer w0.381: U13_U_BOARD_CONNECTOR_1x_2.1@120.176,-23.71 122.363,-23.71 122.438,-23.635
NetC38_U_BOARD_CONNECTOR_1x_3_1: C38_U_BOARD_CONNECTOR_1x_3.1 U13_U_BOARD_CONNECTOR_1x_3.3 | length 2.3
  Top Layer w0.381: 61.238,-61.805 61.413,-61.63 U13_U_BOARD_CONNECTOR_1x_3.3@63.5,-61.63
NetC38_U_BOARD_CONNECTOR_1x_3_2: C38_U_BOARD_CONNECTOR_1x_3.2 U13_U_BOARD_CONNECTOR_1x_3.1 | length 2.3
  Top Layer w0.381: 61.238,-60.405 61.313,-60.33 U13_U_BOARD_CONNECTOR_1x_3.1@63.5,-60.33
NetC38_U_BOARD_CONNECTOR_1x_4_1: C38_U_BOARD_CONNECTOR_1x_4.1 U13_U_BOARD_CONNECTOR_1x_4.3 | length 2.3
  Top Layer w0.381: 109.498,-61.805 109.673,-61.63 U13_U_BOARD_CONNECTOR_1x_4.3@111.76,-61.63
NetC38_U_BOARD_CONNECTOR_1x_4_2: C38_U_BOARD_CONNECTOR_1x_4.2 U13_U_BOARD_CONNECTOR_1x_4.1 | length 2.3
  Top Layer w0.381: 109.498,-60.405 109.573,-60.33 U13_U_BOARD_CONNECTOR_1x_4.1@111.76,-60.33
NetC44_1: C44.1 J1.1 L4.2
NetC45_U_BOARD_CONNECTOR_1x_1_2: C45_U_BOARD_CONNECTOR_1x_1.2 U13_U_BOARD_CONNECTOR_1x_1.6 | length 1.3
  Top Layer w0.381: v1(69.338,-20.424) 69.374,-20.46 U13_U_BOARD_CONNECTOR_1x_1.6@70.646,-20.46
NetC45_U_BOARD_CONNECTOR_1x_2_2: C45_U_BOARD_CONNECTOR_1x_2.2 U13_U_BOARD_CONNECTOR_1x_2.6 | length 1.3
  Top Layer w0.381: v1(118.868,-20.424) 118.904,-20.46 U13_U_BOARD_CONNECTOR_1x_2.6@120.176,-20.46
NetC45_U_BOARD_CONNECTOR_1x_3_2: C45_U_BOARD_CONNECTOR_1x_3.2 U13_U_BOARD_CONNECTOR_1x_3.6 | length 1.3
  Top Layer w0.381: U13_U_BOARD_CONNECTOR_1x_3.6@63.5,-63.58 64.772,-63.58 v1(64.808,-63.616)
NetC45_U_BOARD_CONNECTOR_1x_4_2: C45_U_BOARD_CONNECTOR_1x_4.2 U13_U_BOARD_CONNECTOR_1x_4.6 | length 1.3
  Top Layer w0.381: U13_U_BOARD_CONNECTOR_1x_4.6@111.76,-63.58 113.032,-63.58 v1(113.068,-63.616)
NetC46_U_BOARD_CONNECTOR_1x_1_2: C46_U_BOARD_CONNECTOR_1x_1.2 U13_U_BOARD_CONNECTOR_1x_1.2 | length 1.4
  Top Layer w0.381: v1(69.338,-22.837) 69.4,-22.837 69.589,-23.025 70.611,-23.025 U13_U_BOARD_CONNECTOR_1x_1.2@70.646,-23.06
NetC46_U_BOARD_CONNECTOR_1x_2_2: C46_U_BOARD_CONNECTOR_1x_2.2 U13_U_BOARD_CONNECTOR_1x_2.2 | length 1.4
  Top Layer w0.381: v1(118.868,-22.837) 118.93,-22.837 119.119,-23.025 120.141,-23.025 U13_U_BOARD_CONNECTOR_1x_2.2@120.176,-23.06
NetC46_U_BOARD_CONNECTOR_1x_3_2: C46_U_BOARD_CONNECTOR_1x_3.2 U13_U_BOARD_CONNECTOR_1x_3.2 | length 1.4
  Top Layer w0.381: U13_U_BOARD_CONNECTOR_1x_3.2@63.5,-60.98 63.535,-61.015 64.557,-61.015 64.746,-61.203 v1(64.808,-61.203)
NetC46_U_BOARD_CONNECTOR_1x_4_2: C46_U_BOARD_CONNECTOR_1x_4.2 U13_U_BOARD_CONNECTOR_1x_4.2 | length 1.4
  Top Layer w0.381: U13_U_BOARD_CONNECTOR_1x_4.2@111.76,-60.98 111.795,-61.015 112.817,-61.015 113.006,-61.203 v1(113.068,-61.203)
NetC47_U_BOARD_CONNECTOR_1x_1_1: C47_U_BOARD_CONNECTOR_1x_1.1 U13_U_BOARD_CONNECTOR_1x_1.5 | length 3.5
  Top Layer w0.381: U13_U_BOARD_CONNECTOR_1x_1.5@70.646,-21.11 70.681,-21.075 71.877,-21.075 72.318,-20.634 72.318,-19.714 72.598,-19.435 72.908,-19.435
NetC47_U_BOARD_CONNECTOR_1x_1_2: C47_U_BOARD_CONNECTOR_1x_1.2 U13_U_BOARD_CONNECTOR_1x_1.4 | length 2.6
  Top Layer w0.381: U13_U_BOARD_CONNECTOR_1x_1.4@70.646,-21.76 71.983,-21.76 72.908,-20.835
NetC47_U_BOARD_CONNECTOR_1x_2_1: C47_U_BOARD_CONNECTOR_1x_2.1 U13_U_BOARD_CONNECTOR_1x_2.5 | length 3.2
  Top Layer w0.381: U13_U_BOARD_CONNECTOR_1x_2.5@120.176,-21.11 120.211,-21.075 121.275,-21.075 121.586,-20.764 121.586,-20.287 122.438,-19.435
NetC47_U_BOARD_CONNECTOR_1x_2_2: C47_U_BOARD_CONNECTOR_1x_2.2 U13_U_BOARD_CONNECTOR_1x_2.4 | length 2.6
  Top Layer w0.381: U13_U_BOARD_CONNECTOR_1x_2.4@120.176,-21.76 121.513,-21.76 122.438,-20.835
NetC47_U_BOARD_CONNECTOR_1x_3_1: C47_U_BOARD_CONNECTOR_1x_3.1 U13_U_BOARD_CONNECTOR_1x_3.5 | length 3.2
  Top Layer w0.381: 61.238,-64.605 62.141,-63.702 62.141,-63.362 62.539,-62.965 63.465,-62.965 U13_U_BOARD_CONNECTOR_1x_3.5@63.5,-62.93
NetC47_U_BOARD_CONNECTOR_1x_3_2: C47_U_BOARD_CONNECTOR_1x_3.2 U13_U_BOARD_CONNECTOR_1x_3.4 | length 2.6
  Top Layer w0.381: 61.238,-63.205 62.163,-62.28 U13_U_BOARD_CONNECTOR_1x_3.4@63.5,-62.28
NetC47_U_BOARD_CONNECTOR_1x_4_1: C47_U_BOARD_CONNECTOR_1x_4.1 U13_U_BOARD_CONNECTOR_1x_4.5 | length 3.3
  Top Layer w0.381: 109.498,-64.605 109.808,-64.605 110.35,-64.063 110.35,-63.506 110.892,-62.965 111.725,-62.965 U13_U_BOARD_CONNECTOR_1x_4.5@111.76,-62.93
NetC47_U_BOARD_CONNECTOR_1x_4_2: C47_U_BOARD_CONNECTOR_1x_4.2 U13_U_BOARD_CONNECTOR_1x_4.4 | length 2.6
  Top Layer w0.381: 109.498,-63.205 110.423,-62.28 U13_U_BOARD_CONNECTOR_1x_4.4@111.76,-62.28
NetC50_2: C50.2 J1.2 R18.1 | length 3.3
  Top Layer w0.203: J1.2@7.45,-36.018 10.09,-36.018 10.178,-35.93 v2(10.241,-35.93) 10.521,-35.65 R18.1@10.521,-35.587
NetC63_2: C63.2 J1.3 R19.1 | length 3.1
  Top Layer w0.178: J1.3@7.45,-36.818 10.364,-36.818 R19.1@10.521,-36.975
  other v2: 10.225,-36.771
NetC73_2: C73.2 U6.7 | length 2.9
  Top Layer w0.305: C73.2@22.947,-58.016 23.388,-58.016 23.929,-57.475 23.929,-56.941 24.434,-56.435 U6.7@24.869,-56.435
NetC76_2: C76.2 R43.1 R44.1 R45.1 | length 3.3
  Top Layer w0.305: R44.1@23.017,-53.789 23.019,-53.792 v1(23.708,-53.792) 23.889,-53.974 24.039,-53.974 R43.1@24.171,-54.107 R45.1@24.171,-52.807
  Bottom Layer w0.305: C76.2@22.955,-53.789 22.957,-53.792 v1(23.708,-53.792)
NetD3_1: D3.1 R30.1
  other v2: 26.436,-46.85
NetD4_1: D4.1 R31.1
  other v2: 24.912,-46.85
NetD5_1: D5.1 R32.1 | length 1.5
  Top Layer w0.203: D5.1@65.121,-51.565 66.51,-51.565 R32.1@66.559,-51.614
NetD6_1: D6.1 R33.1 | length 1.5
  Top Layer w0.203: D6.1@65.121,-49.865 66.51,-49.865 R33.1@66.559,-49.913
NetD7_U_BOARD_CONNECTOR_1x_1_1: D7_U_BOARD_CONNECTOR_1x_1.1 R34_U_BOARD_CONNECTOR_1x_1.1 | length 1.5
  Top Layer w0.203: D7_U_BOARD_CONNECTOR_1x_1.1@81.393,-14.945 81.442,-14.994 R34_U_BOARD_CONNECTOR_1x_1.1@82.879,-14.994
NetD7_U_BOARD_CONNECTOR_1x_2_1: D7_U_BOARD_CONNECTOR_1x_2.1 R34_U_BOARD_CONNECTOR_1x_2.1 | length 1.4
  Top Layer w0.203: D7_U_BOARD_CONNECTOR_1x_2.1@129.219,-14.945 130.529,-14.945 R34_U_BOARD_CONNECTOR_1x_2.1@130.578,-14.994
NetD7_U_BOARD_CONNECTOR_1x_3_1: D7_U_BOARD_CONNECTOR_1x_3.1 R34_U_BOARD_CONNECTOR_1x_3.1 | length 1.5
  Top Layer w0.254: R34_U_BOARD_CONNECTOR_1x_3.1@51.562,-69.706 D7_U_BOARD_CONNECTOR_1x_3.1@52.999,-69.706
  Top Layer w0.381: D7_U_BOARD_CONNECTOR_1x_3.1@52.999,-69.706 D7_U_BOARD_CONNECTOR_1x_3.1@53.048,-69.657
NetD7_U_BOARD_CONNECTOR_1x_4_1: D7_U_BOARD_CONNECTOR_1x_4.1 R34_U_BOARD_CONNECTOR_1x_4.1 | length 1.6
  Top Layer w0.203: R34_U_BOARD_CONNECTOR_1x_4.1@98.552,-69.706 98.601,-69.657 D7_U_BOARD_CONNECTOR_1x_4.1@100.165,-69.657
NetD8_U_BOARD_CONNECTOR_1x_1_1: D8_U_BOARD_CONNECTOR_1x_1.1 R35_U_BOARD_CONNECTOR_1x_1.1 | length 1.5
  Top Layer w0.203: D8_U_BOARD_CONNECTOR_1x_1.1@61.2,-14.945 62.637,-14.945 R35_U_BOARD_CONNECTOR_1x_1.1@62.686,-14.994
NetD8_U_BOARD_CONNECTOR_1x_2_1: D8_U_BOARD_CONNECTOR_1x_2.1 R35_U_BOARD_CONNECTOR_1x_2.1 | length 1.5
  Top Layer w0.203: D8_U_BOARD_CONNECTOR_1x_2.1@109.266,-14.945 109.315,-14.994 R35_U_BOARD_CONNECTOR_1x_2.1@110.752,-14.994
NetD8_U_BOARD_CONNECTOR_1x_3_1: D8_U_BOARD_CONNECTOR_1x_3.1 R35_U_BOARD_CONNECTOR_1x_3.1 | length 1.6
  Top Layer w0.203: R35_U_BOARD_CONNECTOR_1x_3.1@72.009,-69.706 73.573,-69.706 D8_U_BOARD_CONNECTOR_1x_3.1@73.622,-69.657
NetD8_U_BOARD_CONNECTOR_1x_4_1: D8_U_BOARD_CONNECTOR_1x_4.1 R35_U_BOARD_CONNECTOR_1x_4.1 | length 1.5
  Top Layer w0.203: R35_U_BOARD_CONNECTOR_1x_4.1@118.745,-69.706 120.182,-69.706 D8_U_BOARD_CONNECTOR_1x_4.1@120.231,-69.657
NetD9_1: D9.1 R37.1
  other v1: 5.588,-11.286
NetD10_1: D10.1 R39.1
  other v1: 4.064,-76.056
NetJ7_3: J7.3 LCD1.3 | length 8.9
  Top Layer w0.203: LCD1.3@150.781,-16.969 151.808,-15.942 J7.3@159.258,-15.942
NetJ7_4: J7.4 LCD1.4 | length 6.5
  Top Layer w0.203: LCD1.4@152.781,-16.969 159.231,-16.969 J7.4@159.258,-16.942
NetJ7_5: J7.5 LCD1.5 | length 8.9
  Top Layer w0.203: LCD1.5@150.781,-18.969 151.808,-17.942 J7.5@159.258,-17.942
NetJ7_6: J7.6 LCD1.6 | length 6.4
  Top Layer w0.203: LCD1.6@152.781,-18.969 J7.6@159.231,-18.969
NetJ7_7: J7.7 LCD1.7 | length 8.9
  Top Layer w0.203: LCD1.7@150.781,-20.969 151.808,-19.942 J7.7@159.258,-19.942
NetJ7_8: J7.8 LCD1.8 | length 6.4
  Top Layer w0.203: LCD1.8@152.781,-20.969 J7.8@159.231,-20.969
NetJ7_9: J7.9 LCD1.9 | length 8.9
  Top Layer w0.203: LCD1.9@150.781,-22.969 151.808,-21.942 J7.9@159.258,-21.942
NetJ7_10: J7.10 LCD1.10 | length 6.4
  Top Layer w0.203: LCD1.10@152.781,-22.969 J7.10@159.231,-22.969
NetJ7_11: J7.11 LCD1.11 | length 8.9
  Top Layer w0.203: LCD1.11@150.781,-24.969 151.808,-23.942 J7.11@159.258,-23.942
NetJ7_12: J7.12 LCD1.12 | length 6.4
  Top Layer w0.203: LCD1.12@152.781,-24.969 J7.12@159.231,-24.969
NetJ7_13: J7.13 LCD1.13 | length 8.9
  Top Layer w0.203: LCD1.13@150.781,-26.969 151.808,-25.942 J7.13@159.258,-25.942
NetJ7_14: J7.14 LCD1.14 | length 6.4
  Top Layer w0.203: LCD1.14@152.781,-26.969 J7.14@159.231,-26.969
NetJ7_15: J7.15 LCD1.15 | length 8.9
  Top Layer w0.203: LCD1.15@150.781,-28.969 151.808,-27.942 J7.15@159.258,-27.942
NetJ7_16: J7.16 LCD1.16 | length 6.4
  Top Layer w0.203: LCD1.16@152.781,-28.969 J7.16@159.231,-28.969
NetJ7_17: J7.17 LCD1.17 | length 8.9
  Top Layer w0.203: LCD1.17@150.781,-30.969 151.808,-29.942 J7.17@159.258,-29.942
NetJ7_18: J7.18 LCD1.18 | length 6.4
  Top Layer w0.203: LCD1.18@152.781,-30.969 J7.18@159.231,-30.969
NetJ7_19: J7.19 LCD1.19 | length 8.9
  Top Layer w0.203: LCD1.19@150.781,-32.969 151.808,-31.942 J7.19@159.258,-31.942
NetJ7_20: J7.20 LCD1.20 | length 6.4
  Top Layer w0.203: LCD1.20@152.781,-32.969 J7.20@159.231,-32.969
NetJ7_22: J7.22 LCD1.22 | length 6.4
  Top Layer w0.203: LCD1.22@152.781,-34.969 J7.22@159.231,-34.969
NetJ7_26: J7.26 LCD1.26 | length 6.4
  Top Layer w0.203: LCD1.26@152.781,-38.969 J7.26@159.231,-38.969
NetR4_2: R4.2 U4.2 | length 1.6
  Top Layer w0.203: U4.2@81.28,-19.81 81.283,-19.813 82.717,-19.813 82.791,-19.74 v1(82.791,-19.645)
NetR5_2: R5.2 U8.2 | length 1.7
  Top Layer w0.203: U8.2@96.52,-19.81 96.523,-19.813 97.957,-19.813 97.881,-19.737 v1(97.881,-19.595)
NetR6_2: R6.2 U9.2 | length 1.4
  Top Layer w0.203: U9.2@82.55,-60.98 82.553,-60.983 83.987,-60.983 v1(83.991,-60.987)
NetR11_2: R11.2 U10.2 | length 1.4
  Top Layer w0.203: U10.2@96.52,-60.98 96.523,-60.983 97.957,-60.983 v1(97.961,-60.987)
NetR12_2: R12.2 U12.25 | length 2.2
  Top Layer w0.635: v1(137.291,-59.702) 137.32,-59.673 U12.25@139.464,-59.673